# Altium PCB RockerBox_1_SiC780A_Rev01.PcbDoc (part 3 of 5)
Units mil, origin at the board's own origin, x right, y up, seen from the top; angles counter-clockwise.
Board outline 3937.01 x 3937.01 mil, 4 copper layers (L1, L2, L3, L4), stack 62.087 mil thick; 390 components, 96 nets, 1487 pads, 1631 vias.
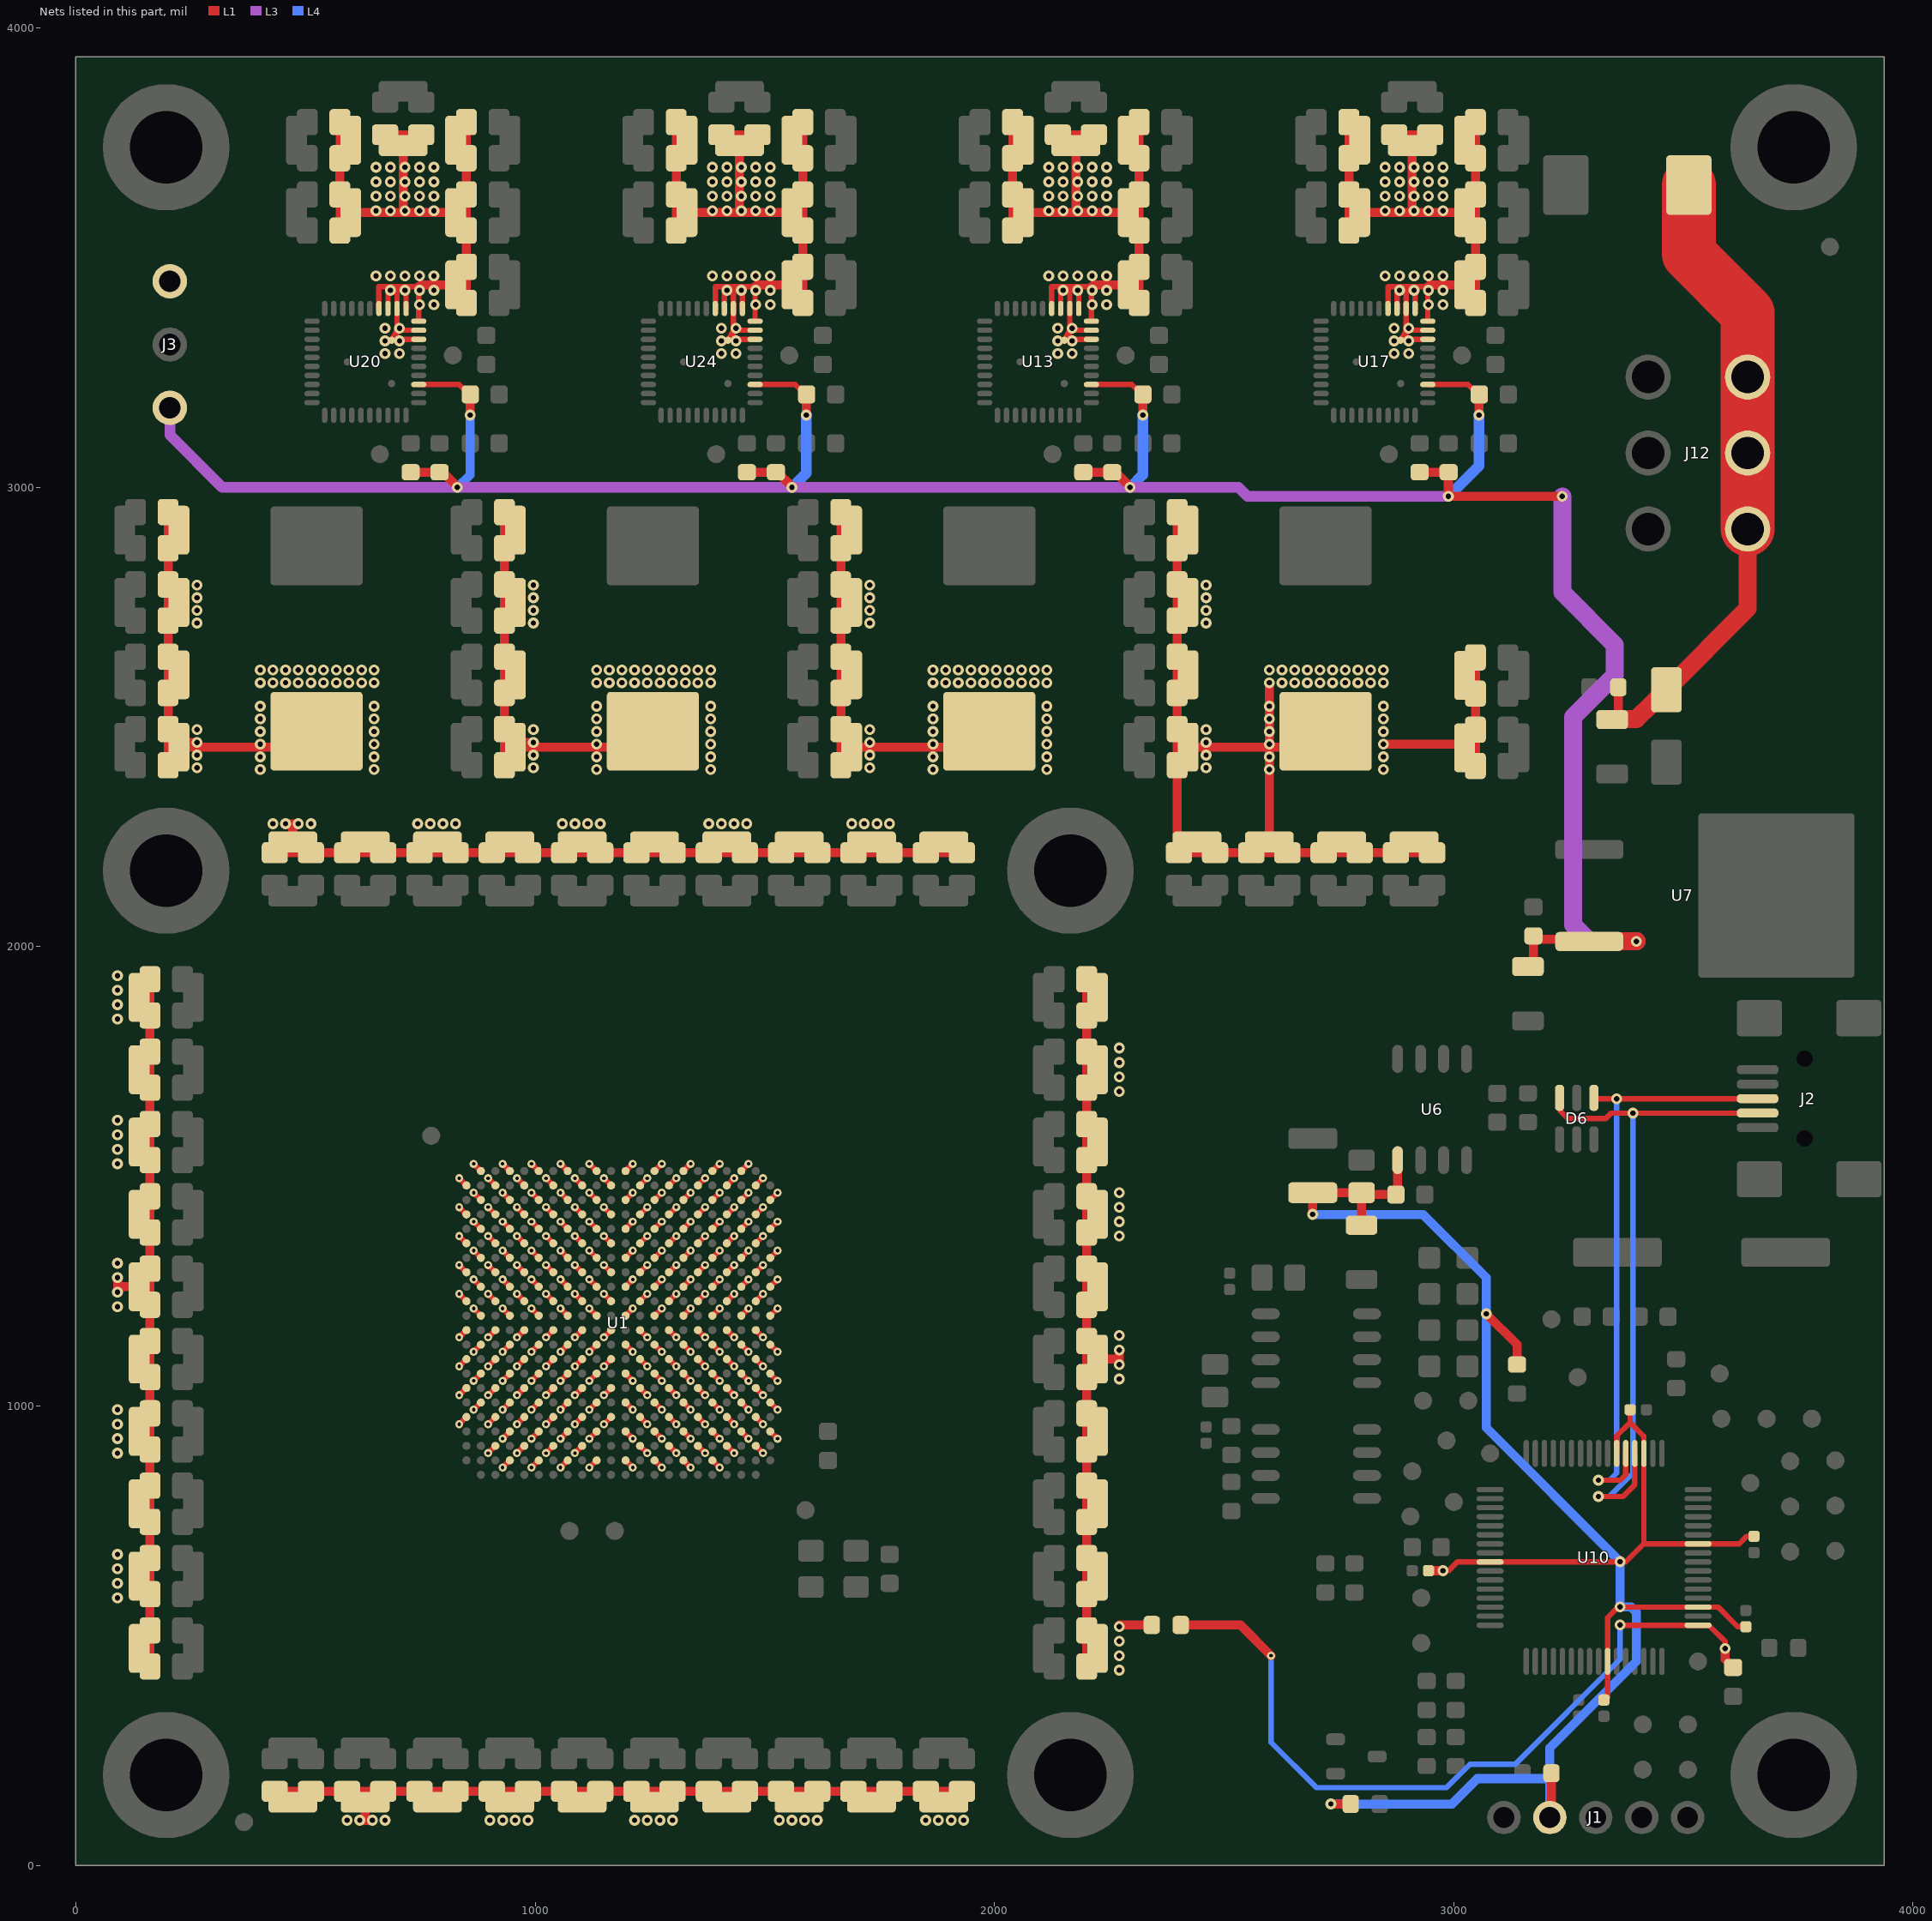
[diagram p5: the nets of this part, all layers, seen from the top]

## Via types
v1: diameter 23.62/23.62/23.62 (per signal layer), hole 11.81, L1 to L4, 1168 vias
v2: diameter 17.72/17.72/17.72 (per signal layer), hole 7.87, L1 to L4, 463 vias

## Nets (pads, with @x,y where several pads share a name; then routed paths per layer and width w, separated by ;. In a path a pad name is that pad's centre, name@x,y a point inside that pad or via, vN(x,y) a via of type N, cw(c..) or ccw(c..) an arc to the next point about the centre after c; other vN are vias at no path point) (continued)
1V: C1.2 C18.2 C19.2 C36.2 C37.1 C38.1 C39.1 C40.1 C62.2 C63.2 C65.1 C66.1 C67.1 C74.2 C75.2 C76.2 C77.2 C78.2 C79.2 C80.2 C81.2 C90.1 C128.1 C130.1 C131.1 C132.2 C138.1 C139.1 C140.2 C141.1 C142.1 C143.2 C144.1 C145.1 C146.2 C147.1 C148.2 C149.2 C150.2 C151.2 C152.2 C153.2 C154.2 C155.2 C156.2 C157.2 C158.2 C159.2 C160.2 C161.2 C162.2 C163.2 C164.2 C165.2 C166.1 C167.2 C168.2 C169.1 C170.1 C172.1 C173.1 C174.2 C175.1 C176.1 C177.2 C178.2 C179.2 C180.2 C181.2 C182.2 C183.2 C184.2 C185.2 C186.2 C187.1 C188.1 C189.2 C190.1 C191.1 C192.2 C193.1 C194.1 C195.2 C196.1 C197.1 C199.1 C200.1 C202.1 C203.1 C205.1 C206.2 C207.2 C208.2 C209.2 C210.2 C211.2 C212.2 C213.2 C214.2 C215.2 C216.2 C217.2 C218.2 C219.2 C220.2 C221.2 C222.2 C223.2 C224.2 C225.2 C226.2 C228.2 C229.2 C230.2 C234.2 C235.2 C236.2 C237.2 C238.2 C239.2 C240.2 C241.2 C242.2 C243.2 C244.2 C245.2 C246.2 C247.2 C248.2 C249.2 C250.2 C251.2 C252.2 C253.2 C254.2 C255.2 C256.2 C260.2 C261.2 C262.2 C263.1 C264.1 C265.1 C266.1 C267.2 C268.1 C269.1 C270.2 C271.1 C272.1 C273.2 C274.1 C275.1 C276.2 C331.1 C332.1 C333.1 C334.1 C375.2 C376.2 C377.2 C381.2 C382.2 C397.2 C398.2 C399.2 C400.2 C401.2 C652.1 C653.2 C654.1 C655.1 C656.2 C657.1 C658.1 C659.2 C660.1 C661.1 C662.2 C663.1 C664.1 C665.2 C666.1 C667.1 C668.2 C669.1 L3.2 L7.2 L10.2 L14.2 R6.2 U1.A3 U1.A5 U1.A7 U1.A9 U1.A11 U1.A13 U1.A15 U1.A17 U1.A19 U1.AA1 U1.AA3 U1.AA5 U1.AA7 U1.AA9 U1.AA11 U1.AA13 U1.AA15 U1.AA17 U1.AB2 U1.AB4 U1.AB6 U1.AB8 U1.AB10 U1.AB12 U1.AB14 U1.AB16 U1.AB18 U1.B2 U1.B4 U1.B6 U1.B8 U1.B10 U1.B12 U1.B14 U1.B16 U1.B18 U1.B20 U1.C1 U1.C3 U1.C5 U1.C7 U1.C9 U1.C11 U1.C13 U1.C15 U1.C17 U1.C19 U1.D2 U1.D4 U1.D6 U1.D8 U1.D10 U1.D12 U1.D14 U1.D16 U1.D18 U1.D20 U1.E1 U1.E3 U1.E5 U1.E7 U1.E9 U1.E11 U1.E13 U1.E15 U1.E17 U1.E19 U1.E21 U1.F2 U1.F4 U1.F6 U1.F8 U1.F10 U1.F12 U1.F14 U1.F16 U1.F18 U1.F20 U1.G1 U1.G3 U1.G5 U1.G7 U1.G9 U1.G11 U1.G13 U1.G15 U1.G17 U1.G19 U1.G21 U1.H2 U1.H4 U1.H6 U1.H8 U1.H10 U1.H12 U1.H14 U1.H16 U1.H18 U1.H20 U1.J1 U1.J3 U1.J5 U1.J7 U1.J9 U1.J11 U1.J13 U1.J15 U1.J17 U1.J19 U1.J21 U1.K2 U1.K4 U1.K6 U1.K8 U1.K10 U1.K12 U1.K14 U1.K16 U1.K18 U1.K20 U1.L1 U1.L3 U1.L5 U1.L7 U1.L9 U1.L11 U1.L13 U1.L15 U1.L17 U1.L19 U1.L21 U1.M2 U1.M4 U1.M6 U1.M8 U1.M10 U1.M12 U1.M14 U1.M16 U1.M18 U1.N1 U1.N3 U1.N5 U1.N7 U1.N9 U1.N11 U1.N13 U1.N15 U1.N17 U1.N19 U1.N21 U1.P2 U1.P4 U1.P6 U1.P8 U1.P10 U1.P12 U1.P14 U1.P16 U1.P18 U1.P20 U1.R1 U1.R3 U1.R5 U1.R7 U1.R9 U1.R11 U1.R13 U1.R15 U1.R17 U1.R19 U1.R21 U1.T2 U1.T4 U1.T6 U1.T8 U1.T10 U1.T12 U1.T14 U1.T16 U1.T18 U1.T20 U1.U1 U1.U3 U1.U5 U1.U7 U1.U9 U1.U11 U1.U13 U1.U15 U1.U17 U1.U19 U1.U21 U1.V2 U1.V4 U1.V6 U1.V8 U1.V10 U1.V12 U1.V14 U1.V16 U1.V18 U1.V20 U1.W1 U1.W3 U1.W5 U1.W7 U1.W9 U1.W11 U1.W13 U1.W15 U1.W17 U1.W19 U1.W21 U1.Y2 U1.Y4 U1.Y6 U1.Y8 U1.Y10 U1.Y12 U1.Y14 U1.Y16 U1.Y18 U1.Y20 | length 17953
  L1 w11.81: v2(834.65,960.63) U1.AB18@850.39,976.38 ; v2(834.65,1023.62) U1.AB16@850.39,1039.37 ; v2(834.65,1086.61) U1.AB14@850.39,1102.36 ; v2(834.65,1149.61) U1.AB12@850.39,1165.35 ; v2(834.65,1244.09) U1.AB10@850.39,1228.35 ; v2(834.65,1307.09) U1.AB8@850.39,1291.34 ; v2(834.65,1370.08) U1.AB6@850.39,1354.33 ; v2(834.65,1433.07) U1.AB4@850.39,1417.32 ; v2(834.65,1496.06) U1.AB2@850.39,1480.31 ; v2(866.14,992.13) U1.AA17@881.89,1007.87 ; v2(866.14,1055.12) U1.AA15@881.89,1070.87 ; v2(866.14,1118.11) U1.AA13@881.89,1133.86 ; v2(866.14,1212.6) U1.AA11@881.89,1196.85 ; v2(866.14,1275.59) U1.AA9@881.89,1259.84 ; v2(866.14,1338.58) U1.AA7@881.89,1322.83 ; v2(866.14,1401.57) U1.AA5@881.89,1385.83 ; v2(866.14,1464.57) U1.AA3@881.89,1448.82 ; v2(866.14,1527.56) U1.AA1@881.89,1511.81 ; v2(897.64,897.64) U1.Y20@913.39,913.39 ; v2(897.64,960.63) U1.Y18@913.39,976.38 ; v2(897.64,1023.62) U1.Y16@913.39,1039.37 ; v2(897.64,1086.61) U1.Y14@913.39,1102.36 ; v2(897.64,1149.61) U1.Y12@913.39,1165.35 ; v2(897.64,1244.09) U1.Y10@913.39,1228.35 ; v2(897.64,1307.09) U1.Y8@913.39,1291.34 ; v2(897.64,1370.08) U1.Y6@913.39,1354.33 ; v2(897.64,1433.07) U1.Y4@913.39,1417.32 ; v2(897.64,1496.06) U1.Y2@913.39,1480.31 ; v2(929.13,866.14) U1.W21@944.88,881.89 ; v2(929.13,929.13) U1.W19@944.88,944.88 ; v2(929.13,992.13) U1.W17@944.88,1007.87 ; v2(929.13,1055.12) U1.W15@944.88,1070.87 ; v2(929.13,1118.11) U1.W13@944.88,1133.86 ; v2(929.13,1212.6) U1.W11@944.88,1196.85 ; v2(929.13,1275.59) U1.W9@944.88,1259.84 ; v2(929.13,1338.58) U1.W7@944.88,1322.83 ; v2(929.13,1401.57) U1.W5@944.88,1385.83 ; v2(929.13,1464.57) U1.W3@944.88,1448.82 ; v2(929.13,1527.56) U1.W1@944.88,1511.81 ; v2(960.63,897.64) U1.V20@976.38,913.39 ; v2(960.63,960.63) U1.V18@976.38,976.38 ; v2(960.63,1023.62) U1.V16@976.38,1039.37 ; v2(960.63,1086.61) U1.V14@976.38,1102.36 ; v2(960.63,1149.61) U1.V12@976.38,1165.35 ; v2(960.63,1244.09) U1.V10@976.38,1228.35 ; v2(960.63,1307.09) U1.V8@976.38,1291.34 ; v2(960.63,1370.08) U1.V6@976.38,1354.33 ; v2(960.63,1433.07) U1.V4@976.38,1417.32 ; v2(960.63,1496.06) U1.V2@976.38,1480.31 ; v2(992.13,866.14) U1.U21@1007.87,881.89 ; v2(992.13,929.13) U1.U19@1007.87,944.88 ; v2(992.13,992.13) U1.U17@1007.87,1007.87 ; v2(992.13,1055.12) U1.U15@1007.87,1070.87 ; v2(992.13,1118.11) U1.U13@1007.87,1133.86 ; v2(992.13,1212.6) U1.U11@1007.87,1196.85 ; v2(992.13,1275.59) U1.U9@1007.87,1259.84 ; v2(992.13,1338.58) U1.U7@1007.87,1322.83 ; v2(992.13,1401.57) U1.U5@1007.87,1385.83 ; v2(992.13,1464.57) U1.U3@1007.87,1448.82 ; v2(992.13,1527.56) U1.U1@1007.87,1511.81 ; v2(1023.62,897.64) U1.T20@1039.37,913.39 ; v2(1023.62,960.63) U1.T18@1039.37,976.38 ; v2(1023.62,1023.62) U1.T16@1039.37,1039.37 ; v2(1023.62,1086.61) U1.T14@1039.37,1102.36 ; v2(1023.62,1149.61) U1.T12@1039.37,1165.35 ; v2(1023.62,1244.09) U1.T10@1039.37,1228.35 ; v2(1023.62,1307.09) U1.T8@1039.37,1291.34 ; v2(1023.62,1370.08) U1.T6@1039.37,1354.33 ; v2(1023.62,1433.07) U1.T4@1039.37,1417.32 ; v2(1023.62,1496.06) U1.T2@1039.37,1480.31 ; v2(1055.12,866.14) U1.R21@1070.87,881.89 ; v2(1055.12,929.13) U1.R19@1070.87,944.88 ; v2(1055.12,992.13) U1.R17@1070.87,1007.87 ; v2(1055.12,1055.12) U1.R15@1070.87,1070.87 ; v2(1055.12,1118.11) U1.R13@1070.87,1133.86 ; v2(1055.12,1212.6) U1.R11@1070.87,1196.85 ; v2(1055.12,1275.59) U1.R9@1070.87,1259.84 ; v2(1055.12,1338.58) U1.R7@1070.87,1322.83 ; v2(1055.12,1401.57) U1.R5@1070.87,1385.83 ; v2(1055.12,1464.57) U1.R3@1070.87,1448.82 ; v2(1055.12,1527.56) U1.R1@1070.87,1511.81 ; v2(1086.61,897.64) U1.P20@1102.36,913.39 ; v2(1086.61,960.63) U1.P18@1102.36,976.38 ; v2(1086.61,1023.62) U1.P16@1102.36,1039.37 ; v2(1086.61,1086.61) U1.P14@1102.36,1102.36 ; v2(1086.61,1149.61) U1.P12@1102.36,1165.35 ; v2(1086.61,1244.09) U1.P10@1102.36,1228.35 ; v2(1086.61,1307.09) U1.P8@1102.36,1291.34 ; v2(1086.61,1370.08) U1.P6@1102.36,1354.33 ; v2(1086.61,1433.07) U1.P4@1102.36,1417.32 ; v2(1086.61,1496.06) U1.P2@1102.36,1480.31 ; v2(1118.11,866.14) U1.N21@1133.86,881.89 ; v2(1118.11,929.13) U1.N19@1133.86,944.88 ; v2(1118.11,992.13) U1.N17@1133.86,1007.87 ; v2(1118.11,1055.12) U1.N15@1133.86,1070.87 ; v2(1118.11,1118.11) U1.N13@1133.86,1133.86 ; v2(1118.11,1212.6) U1.N11@1133.86,1196.85 ; v2(1118.11,1275.59) U1.N9@1133.86,1259.84 ; v2(1118.11,1338.58) U1.N7@1133.86,1322.83 ; v2(1118.11,1401.57) U1.N5@1133.86,1385.83 ; v2(1118.11,1464.57) U1.N3@1133.86,1448.82 ; v2(1118.11,1527.56) U1.N1@1133.86,1511.81 ; v2(1149.61,960.63) U1.M18@1165.35,976.38 ; v2(1149.61,1023.62) U1.M16@1165.35,1039.37 ; v2(1149.61,1086.61) U1.M14@1165.35,1102.36 ; v2(1149.61,1149.61) U1.M12@1165.35,1165.35 ; v2(1149.61,1244.09) U1.M10@1165.35,1228.35 ; v2(1149.61,1307.09) U1.M8@1165.35,1291.34 ; v2(1149.61,1370.08) U1.M6@1165.35,1354.33 ; v2(1149.61,1433.07) U1.M4@1165.35,1417.32 ; v2(1149.61,1496.06) U1.M2@1165.35,1480.31 ; U1.L21@1196.85,881.89 v2(1212.6,866.14) ; U1.L19@1196.85,944.88 v2(1212.6,929.13) ; U1.L17@1196.85,1007.87 v2(1212.6,992.13) ; U1.L15@1196.85,1070.87 v2(1212.6,1055.12) ; U1.L13@1196.85,1133.86 v2(1212.6,1118.11) ; U1.L11@1196.85,1196.85 v2(1212.6,1212.6) ; U1.L9@1196.85,1259.84 v2(1212.6,1275.59) ; U1.L7@1196.85,1322.83 v2(1212.6,1338.58) ; U1.L5@1196.85,1385.83 v2(1212.6,1401.57) ; U1.L3@1196.85,1448.82 v2(1212.6,1464.57) ; U1.L1@1196.85,1511.81 v2(1212.6,1527.56) ; U1.K20@1228.35,913.39 v2(1244.09,897.64) ; U1.K18@1228.35,976.38 v2(1244.09,960.63) ; U1.K16@1228.35,1039.37 v2(1244.09,1023.62) ; U1.K14@1228.35,1102.36 v2(1244.09,1086.61) ; U1.K12@1228.35,1165.35 v2(1244.09,1149.61) ; U1.K10@1228.35,1228.35 v2(1244.09,1244.09) ; U1.K8@1228.35,1291.34 v2(1244.09,1307.09) ; U1.K6@1228.35,1354.33 v2(1244.09,1370.08) ; U1.K4@1228.35,1417.32 v2(1244.09,1433.07) ; U1.K2@1228.35,1480.31 v2(1244.09,1496.06) ; U1.J21@1259.84,881.89 v2(1275.59,866.14) ; U1.J19@1259.84,944.88 v2(1275.59,929.13) ; U1.J17@1259.84,1007.87 v2(1275.59,992.13) ; U1.J15@1259.84,1070.87 v2(1275.59,1055.12) ; U1.J13@1259.84,1133.86 v2(1275.59,1118.11) ; U1.J11@1259.84,1196.85 v2(1275.59,1212.6) ; U1.J9@1259.84,1259.84 v2(1275.59,1275.59) ; U1.J7@1259.84,1322.83 v2(1275.59,1338.58) ; U1.J5@1259.84,1385.83 v2(1275.59,1401.57) ; U1.J3@1259.84,1448.82 v2(1275.59,1464.57) ; U1.J1@1259.84,1511.81 v2(1275.59,1527.56) ; U1.H20@1291.34,913.39 v2(1307.09,897.64) ; U1.H18@1291.34,976.38 v2(1307.09,960.63) ; U1.H16@1291.34,1039.37 v2(1307.09,1023.62) ; U1.H14@1291.34,1102.36 v2(1307.09,1086.61) ; U1.H12@1291.34,1165.35 v2(1307.09,1149.61) ; U1.H10@1291.34,1228.35 v2(1307.09,1244.09) ; U1.H8@1291.34,1291.34 v2(1307.09,1307.09) ; U1.H6@1291.34,1354.33 v2(1307.09,1370.08) ; U1.H4@1291.34,1417.32 v2(1307.09,1433.07) ; U1.H2@1291.34,1480.31 v2(1307.09,1496.06) ; U1.G21@1322.83,881.89 v2(1338.58,866.14) ; U1.G19@1322.83,944.88 v2(1338.58,929.13) ; U1.G17@1322.83,1007.87 v2(1338.58,992.13) ; U1.G15@1322.83,1070.87 v2(1338.58,1055.12) ; U1.G13@1322.83,1133.86 v2(1338.58,1118.11) ; U1.G11@1322.83,1196.85 v2(1338.58,1212.6) ; U1.G9@1322.83,1259.84 v2(1338.58,1275.59) ; U1.G7@1322.83,1322.83 v2(1338.58,1338.58) ; U1.G5@1322.83,1385.83 v2(1338.58,1401.57) ; U1.G3@1322.83,1448.82 v2(1338.58,1464.57) ; U1.G1@1322.83,1511.81 v2(1338.58,1527.56) ; U1.F20@1354.33,913.39 v2(1370.08,897.64) ; U1.F18@1354.33,976.38 v2(1370.08,960.63) ; U1.F16@1354.33,1039.37 v2(1370.08,1023.62) ; U1.F14@1354.33,1102.36 v2(1370.08,1086.61) ; U1.F12@1354.33,1165.35 v2(1370.08,1149.61) ; U1.F10@1354.33,1228.35 v2(1370.08,1244.09) ; U1.F8@1354.33,1291.34 v2(1370.08,1307.09) ; U1.F6@1354.33,1354.33 v2(1370.08,1370.08) ; U1.F4@1354.33,1417.32 v2(1370.08,1433.07) ; U1.F2@1354.33,1480.31 v2(1370.08,1496.06) ; U1.E21@1385.83,881.89 v2(1401.57,866.14) ; U1.E19@1385.83,944.88 v2(1401.57,929.13) ; U1.E17@1385.83,1007.87 v2(1401.57,992.13) ; U1.E15@1385.83,1070.87 v2(1401.57,1055.12) ; U1.E13@1385.83,1133.86 v2(1401.57,1118.11) ; U1.E11@1385.83,1196.85 v2(1401.57,1212.6) ; U1.E9@1385.83,1259.84 v2(1401.57,1275.59) ; U1.E7@1385.83,1322.83 v2(1401.57,1338.58) ; U1.E5@1385.83,1385.83 v2(1401.57,1401.57) ; U1.E3@1385.83,1448.82 v2(1401.57,1464.57) ; U1.E1@1385.83,1511.81 v2(1401.57,1527.56) ; U1.D20@1417.32,913.39 v2(1433.07,897.64) ; U1.D18@1417.32,976.38 v2(1433.07,960.63) ; U1.D16@1417.32,1039.37 v2(1433.07,1023.62) ; U1.D14@1417.32,1102.36 v2(1433.07,1086.61) ; U1.D12@1417.32,1165.35 v2(1433.07,1149.61) ; U1.D10@1417.32,1228.35 v2(1433.07,1244.09) ; U1.D8@1417.32,1291.34 v2(1433.07,1307.09) ; U1.D6@1417.32,1354.33 v2(1433.07,1370.08) ; U1.D4@1417.32,1417.32 v2(1433.07,1433.07) ; U1.D2@1417.32,1480.31 v2(1433.07,1496.06) ; U1.C19@1448.82,944.88 v2(1464.57,929.13) ; U1.C17@1448.82,1007.87 v2(1464.57,992.13) ; U1.C15@1448.82,1070.87 v2(1464.57,1055.12) ; U1.C13@1448.82,1133.86 v2(1464.57,1118.11) ; U1.C11@1448.82,1196.85 v2(1464.57,1212.6) ; U1.C9@1448.82,1259.84 v2(1464.57,1275.59) ; U1.C7@1448.82,1322.83 v2(1464.57,1338.58) ; U1.C5@1448.82,1385.83 v2(1464.57,1401.57) ; U1.C3@1448.82,1448.82 v2(1464.57,1464.57) ; U1.C1@1448.82,1511.81 v2(1464.57,1527.56) ; U1.B20@1480.31,913.39 v2(1496.06,897.64) ; U1.B18@1480.31,976.38 v2(1496.06,960.63) ; U1.B16@1480.31,1039.37 v2(1496.06,1023.62) ; U1.B14@1480.31,1102.36 v2(1496.06,1086.61) ; U1.B12@1480.31,1165.35 v2(1496.06,1149.61) ; U1.B10@1480.31,1228.35 v2(1496.06,1244.09) ; U1.B8@1480.31,1291.34 v2(1496.06,1307.09) ; U1.B6@1480.31,1354.33 v2(1496.06,1370.08) ; U1.B4@1480.31,1417.32 v2(1496.06,1433.07) ; U1.B2@1480.31,1480.31 v2(1496.06,1496.06) ; U1.A19@1511.81,944.88 v2(1527.56,929.13) ; U1.A17@1511.81,1007.87 v2(1527.56,992.13) ; U1.A15@1511.81,1070.87 v2(1527.56,1055.12) ; U1.A13@1511.81,1133.86 v2(1527.56,1118.11) ; U1.A11@1511.81,1196.85 v2(1527.56,1212.6) ; U1.A9@1511.81,1259.84 v2(1527.56,1275.59) ; U1.A7@1511.81,1322.83 v2(1527.56,1338.58) ; U1.A5@1511.81,1385.83 v2(1527.56,1401.57) ; U1.A3@1511.81,1448.82 v2(1527.56,1464.57)
  L1 w19.68: v1(90.75,1248.03) v1@90.75,1259.84 ; v1(90.75,1279.53) v1@90.75,1259.84 ; C254.2@137.8,472.44 161.42,472.44 ; C213.2@137.8,629.92 161.42,629.92 ; C214.2@137.8,787.4 161.42,787.4 ; C215.2@137.8,944.88 161.42,944.88 ; C210.2@137.8,1102.36 161.42,1102.36 ; C212.2@137.8,1417.32 161.42,1417.32 ; C207.2@137.8,1574.8 161.42,1574.8 ; C208.2@137.8,1732.28 161.42,1732.28 ; C209.2@137.8,1889.76 161.42,1889.76 ; C229.2@161.42,433.07 161.42,472.44 ; C63.2@161.42,1929.13 161.42,1889.76 ; C657.1@200.91,2395.07 200.91,2434.44 ; C669.1@200.91,2946.25 200.91,2906.88 ; C662.2@224.54,2591.92 200.91,2591.92 ; C665.2@224.54,2749.4 200.91,2749.4 ; C668.2@224.54,2906.88 200.91,2906.88 ; v1(263.78,2444.88) 234.98,2444.88 C656.2@224.54,2434.44 ; C157.2@433.07,161.42 472.44,161.42 ; C654.1@433.07,2204.72 472.44,2204.72 ; v1(456.69,2267.72) v1@472.44,2267.72 ; C238.2@472.44,137.8 472.44,161.42 ; v1(484.25,2267.72) v1@472.44,2267.72 ; L10.2@524.07,2469.08 524.07,2434.44 C656.2@224.54,2434.44 ; v1(618.11,98.43) v1@629.92,98.43 ; C398.2@629.92,2228.35 629.92,2204.72 ; v1(645.67,98.43) v1@629.92,98.43 ; C216.2@787.4,137.8 787.4,161.42 ; C659.2@787.4,2228.35 787.4,2204.72 ; C176.1@933.2,2395.07 933.2,2434.44 ; C268.1@933.2,2946.25 933.2,2906.88 ; C241.2@944.88,137.8 944.88,161.42 ; C397.2@944.88,2228.35 944.88,2204.72 ; C399.2@956.82,2591.92 933.2,2591.92 ; C400.2@956.82,2749.4 933.2,2749.4 ; C401.2@956.82,2906.88 933.2,2906.88 ; v1(996.06,2444.88) 967.26,2444.88 C195.2@956.82,2434.44 ; C240.2@1102.36,137.8 1102.36,161.42 ; C192.2@1102.36,2228.35 1102.36,2204.72 ; L14.2@1256.36,2469.08 1256.36,2434.44 C195.2@956.82,2434.44 ; C239.2@1259.84,137.8 1259.84,161.42 ; C189.2@1259.84,2228.35 1259.84,2204.72 ; C244.2@1417.32,137.8 1417.32,161.42 ; C267.2@1417.32,2228.35 1417.32,2204.72 ; C243.2@1574.8,137.8 1574.8,161.42 ; C174.2@1574.8,2228.35 1574.8,2204.72 ; C138.1@1665.48,2395.07 1665.48,2434.44 ; C169.1@1665.48,2946.25 1665.48,2906.88 ; C375.2@1689.1,2591.92 1665.48,2591.92 ; C376.2@1689.1,2749.4 1665.48,2749.4 ; C377.2@1689.1,2906.88 1665.48,2906.88 ; v1(1728.35,2444.88) v1@1728.35,2434.44 ; C242.2@1732.28,137.8 1732.28,161.42 ; C143.2@1732.28,2228.35 1732.28,2204.72 ; C255.2@1889.76,137.8 1889.76,161.42 ; C140.2@1889.76,2228.35 1889.76,2204.72 ; C230.2@1929.13,161.42 1889.76,161.42 ; C39.1@1929.13,2204.72 1889.76,2204.72 ; L3.2@1988.64,2469.08 1988.64,2434.44 v1@1728.35,2434.44 ; C235.2@2200.79,433.07 2200.79,472.44 ; C221.2@2200.79,1929.13 2200.79,1889.76 ; C256.2@2224.41,472.44 2200.79,472.44 ; C247.2@2224.41,629.92 2200.79,629.92 ; C246.2@2224.41,787.4 2200.79,787.4 ; C245.2@2224.41,944.88 2200.79,944.88 ; C249.2@2224.41,1259.84 2200.79,1259.84 ; C248.2@2224.41,1417.32 2200.79,1417.32 ; C253.2@2224.41,1574.8 2200.79,1574.8 ; C252.2@2224.41,1732.28 2200.79,1732.28 ; C251.2@2224.41,1889.76 2200.79,1889.76 ; v1(2271.65,519.69) 2271.65,523.62 R6.2@2342.52,523.62 ; v1(2271.85,1090.55) v1@2271.85,1102.36 ; v1(2271.85,1122.05) v1@2271.85,1102.36 ; C275.1@2397.76,2946.25 2397.76,2906.88 ; C276.2@2421.39,2591.92 2397.76,2591.92 ; C381.2@2421.39,2749.4 2397.76,2749.4 ; C382.2@2421.39,2906.88 2397.76,2906.88 ; C167.2@2440.94,2228.26 2440.94,2204.64 ; C132.2@2598.42,2228.26 2598.42,2224.41 2598.42,2204.64 ; C132.2@2598.43,2224.42 v1(2598.43,2385.83) v1(2598.43,2413.39) v1@2598.43,2434.44 ; v1(2598.43,2574.8) v1(2598.43,2523.62) v1(2598.43,2496.06) v1(2598.43,2468.5) v1(2598.43,2440.94) v1@2598.43,2434.44 ; L7.2@2720.92,2469.08 2720.92,2434.44 v1@2598.43,2434.44 ; C262.2@2755.91,2228.35 2755.91,2204.72 ; v1(2846.46,2440.94) 3015.75,2440.94 C273.2@3023.62,2433.07 3047.24,2433.07 ; C261.2@2913.39,2228.35 2913.39,2204.72 ; C197.1@2952.76,2204.72 2913.39,2204.72 ; C260.2@3023.62,2590.55 3047.24,2590.55 ; C265.1@3047.24,2393.7 3047.24,2433.07 ; C90.1@3047.24,2629.92 3047.24,2590.55 ; v1@90.75,1259.84 C211.2@137.8,1259.84 161.42,1259.84 ; 161.42,472.44 C228.2@161.42,511.81 C80.2@161.42,590.55 161.42,629.92 ; 161.42,629.92 C81.2@161.42,669.29 C148.2@161.42,748.03 161.42,787.4 ; 161.42,787.4 C149.2@161.42,826.77 C150.2@161.42,905.51 161.42,944.88 ; 161.42,944.88 C151.2@161.42,984.25 C74.2@161.42,1062.99 161.42,1102.36 ; 161.42,1102.36 C75.2@161.42,1141.73 C76.2@161.42,1220.47 161.42,1259.84 ; 161.42,1259.84 C77.2@161.42,1299.21 C78.2@161.42,1377.95 161.42,1417.32 ; 161.42,1417.32 C79.2@161.42,1456.69 C1.2@161.42,1535.43 161.42,1574.8 ; 161.42,1574.8 C18.2@161.42,1614.17 C19.2@161.42,1692.91 161.42,1732.28 ; 161.42,1732.28 C36.2@161.42,1771.65 C62.2@161.42,1850.39 161.42,1889.76 ; 200.91,2434.44 C655.1@200.91,2473.81 C661.1@200.91,2552.55 200.91,2591.92 ; 200.91,2434.44 C656.2@224.54,2434.44 ; 200.91,2591.92 C663.1@200.91,2631.29 C664.1@200.91,2710.03 200.91,2749.4 ; 200.91,2749.4 C666.1@200.91,2788.77 C667.1@200.91,2867.51 200.91,2906.88 ; 472.44,161.42 C156.2@511.81,161.42 C155.2@590.55,161.42 629.92,161.42 ; 472.44,2204.72 C652.1@511.81,2204.72 C334.1@590.55,2204.72 629.92,2204.72 ; 472.44,2204.72 C653.2@472.44,2228.35 v1@472.44,2267.72 ; v1@629.92,98.43 C237.2@629.92,137.8 629.92,161.42 ; 629.92,161.42 C154.2@669.29,161.42 C153.2@748.03,161.42 787.4,161.42 ; 629.92,2204.72 C333.1@669.29,2204.72 C660.1@748.03,2204.72 787.4,2204.72 ; 787.4,161.42 C152.2@826.77,161.42 C163.2@905.51,161.42 944.88,161.42 ; 787.4,2204.72 C658.1@826.77,2204.72 C332.1@905.51,2204.72 944.88,2204.72 ; 933.2,2434.44 C191.1@933.2,2552.55 933.2,2591.92 ; 933.2,2434.44 C195.2@956.82,2434.44 ; 933.2,2591.92 C194.1@933.2,2710.03 933.2,2749.4 ; 933.2,2749.4 933.2,2906.88 ; 944.88,161.42 C162.2@984.25,161.42 C161.2@1062.99,161.42 1102.36,161.42 ; 944.88,2204.72 C331.1@984.25,2204.72 C173.1@1062.99,2204.72 1102.36,2204.72 ; 1102.36,161.42 C160.2@1141.73,161.42 C159.2@1220.47,161.42 1259.84,161.42 ; 1102.36,2204.72 C172.1@1141.73,2204.72 C170.1@1220.47,2204.72 1259.84,2204.72 ; 1259.84,161.42 C158.2@1299.21,161.42 C179.2@1377.95,161.42 1417.32,161.42 ; 1259.84,2204.72 C67.1@1299.21,2204.72 C190.1@1377.95,2204.72 1417.32,2204.72 ; 1417.32,161.42 C178.2@1456.69,161.42 C177.2@1535.43,161.42 1574.8,161.42 ; 1417.32,2204.72 C188.1@1456.69,2204.72 C66.1@1535.43,2204.72 1574.8,2204.72 ; 1574.8,161.42 C168.2@1614.17,161.42 C165.2@1692.91,161.42 1732.28,161.42 ; 1574.8,2204.72 C65.1@1614.17,2204.72 C130.1@1692.91,2204.72 1732.28,2204.72 ; 1665.48,2434.44 C131.1@1665.48,2473.81 C142.1@1665.48,2552.55 1665.48,2591.92 ; 1665.48,2434.44 C146.2@1689.1,2434.44 v1@1728.35,2434.44 ; 1665.48,2591.92 C144.1@1665.48,2631.29 C145.1@1665.48,2710.03 1665.48,2749.4 ; 1665.48,2749.4 C147.1@1665.48,2788.77 C166.1@1665.48,2867.51 1665.48,2906.88 ; 1732.28,161.42 C164.2@1771.65,161.42 C234.2@1850.39,161.42 1889.76,161.42 ; 1732.28,2204.72 C128.1@1771.65,2204.72 C40.1@1850.39,2204.72 1889.76,2204.72 ; 2200.79,472.44 C236.2@2200.79,511.81 C185.2@2200.79,590.55 2200.79,629.92 ; 2200.79,629.92 C184.2@2200.79,669.29 C183.2@2200.79,748.03 2200.79,787.4 ; 2200.79,787.4 C182.2@2200.79,826.77 C181.2@2200.79,905.51 2200.79,944.88 ; 2200.79,944.88 C180.2@2200.79,984.25 C220.2@2200.79,1062.99 2200.79,1102.36 ; 2200.79,1102.36 C219.2@2200.79,1141.73 C218.2@2200.79,1220.47 2200.79,1259.84 ; 2200.79,1102.36 C250.2@2224.41,1102.36 v1@2271.85,1102.36 ; 2200.79,1259.84 C217.2@2200.79,1299.21 C206.2@2200.79,1377.95 2200.79,1417.32 ; 2200.79,1417.32 C186.2@2200.79,1456.69 C226.2@2200.79,1535.43 2200.79,1574.8 ; 2200.79,1574.8 C225.2@2200.79,1614.17 C224.2@2200.79,1692.91 2200.79,1732.28 ; 2200.79,1732.28 C223.2@2200.79,1771.65 C222.2@2200.79,1850.39 2200.79,1889.76 ; 2397.76,2434.44 C203.1@2397.76,2473.81 C266.1@2397.76,2552.55 2397.76,2591.92 ; 2397.76,2434.44 C205.1@2397.76,2395.07 2397.76,2208.44 C141.1@2401.57,2204.64 2440.94,2204.64 ; 2397.76,2434.44 C270.2@2421.39,2434.44 v1@2598.43,2434.44 ; 2397.76,2591.92 C269.1@2397.76,2631.29 C271.1@2397.76,2710.03 2397.76,2749.4 ; 2397.76,2749.4 C272.1@2397.76,2788.77 C274.1@2397.76,2867.51 2397.76,2906.88 ; 2440.94,2204.64 2598.42,2204.64 ; 2598.42,2204.64 2716.45,2204.64 C202.1@2716.54,2204.72 2755.91,2204.72 ; 2755.91,2204.72 C200.1@2795.28,2204.72 C199.1@2874.02,2204.72 2913.39,2204.72 ; 3047.24,2433.07 3047.24,2590.55
  other v1: 590.55,98.43 673.23,98.43 901.57,98.43 929.13,98.43 956.69,98.43 984.25,98.43 1216.54,98.43 1244.09,98.43 1271.65,98.43 1299.21,98.43 1531.5,98.43 1559.06,98.43 1586.61,98.43 1614.17,98.43 1850.39,98.43 1877.95,98.43 1905.51,98.43 1933.07,98.43 2271.65,425.2 2271.65,456.69 2271.65,488.19 90.55,582.68 90.55,614.17 90.55,645.67 90.55,677.17 90.75,897.64 90.75,929.13 90.75,960.63 90.75,992.13 2271.85,1059.06 2271.85,1153.54 90.75,1216.54 90.75,1311.02 2271.85,1370.08 2271.85,1401.57 2271.85,1433.07 2271.85,1464.57 90.75,1527.56 90.75,1559.06 90.75,1590.55 90.75,1622.05 2271.85,1685.04 2271.85,1716.54 2271.85,1748.03 2271.85,1779.53 90.75,1842.52 90.75,1874.02 90.75,1905.51 90.75,1937.01 429.13,2267.72 511.81,2267.72 744.09,2267.72 771.65,2267.72 799.21,2267.72 826.77,2267.72 1059.06,2267.72 1086.61,2267.72 1114.17,2267.72 1141.73,2267.72 1377.95,2267.72 1405.51,2267.72 1433.07,2267.72 1460.63,2267.72 1688.98,2267.72 1716.54,2267.72 1744.09,2267.72 1771.65,2267.72 401.57,2385.83 649.61,2385.83 1133.86,2385.83 1381.89,2385.83 1866.14,2385.83 2114.17,2385.83 2846.46,2385.83 263.78,2389.76 996.06,2389.76 1728.35,2389.76 2460.63,2389.76 401.57,2413.39 649.61,2413.39 1133.86,2413.39 1381.89,2413.39 1866.14,2413.39 2114.17,2413.39 2846.46,2413.39 263.78,2417.32 996.06,2417.32 1728.35,2417.32 2460.63,2417.32 401.57,2440.94 649.61,2440.94 1133.86,2440.94 1381.89,2440.94 1866.14,2440.94 2114.17,2440.94 2460.63,2444.88 401.57,2468.5 649.61,2468.5 1133.86,2468.5 1381.89,2468.5 1866.14,2468.5 2114.17,2468.5 2846.46,2468.5 263.78,2472.44 996.06,2472.44 1728.35,2472.44 2460.63,2472.44 401.57,2496.06 649.61,2496.06 1133.86,2496.06 1381.89,2496.06 1866.14,2496.06 2114.17,2496.06 2846.46,2496.06 401.57,2523.62 649.61,2523.62 1133.86,2523.62 1381.89,2523.62 1866.14,2523.62 2114.17,2523.62 2846.46,2523.62 401.57,2574.8 429.13,2574.8 456.69,2574.8 484.25,2574.8 511.81,2574.8 539.37,2574.8 566.93,2574.8 594.49,2574.8 622.05,2574.8 649.61,2574.8 1133.86,2574.8 1161.42,2574.8 1188.98,2574.8 1216.54,2574.8 1244.09,2574.8 1271.65,2574.8 1299.21,2574.8 1326.77,2574.8 1354.33,2574.8 1381.89,2574.8 1866.14,2574.8 1893.7,2574.8 1921.26,2574.8 1948.82,2574.8 1976.38,2574.8 2003.94,2574.8 2031.5,2574.8 2059.06,2574.8 2086.61,2574.8 2114.17,2574.8 2625.98,2574.8 2653.54,2574.8 2681.1,2574.8 2708.66,2574.8 2736.22,2574.8 2763.78,2574.8 2791.34,2574.8 2818.9,2574.8 2846.46,2574.8 401.57,2602.36 429.13,2602.36 456.69,2602.36 484.25,2602.36 511.81,2602.36 539.37,2602.36 566.93,2602.36 594.49,2602.36 622.05,2602.36 649.61,2602.36 1133.86,2602.36 1161.42,2602.36 1188.98,2602.36 1216.54,2602.36 1244.09,2602.36 1271.65,2602.36 1299.21,2602.36 1326.77,2602.36 1354.33,2602.36 1381.89,2602.36 1866.14,2602.36 1893.7,2602.36 1921.26,2602.36 1948.82,2602.36 1976.38,2602.36 2003.94,2602.36 2031.5,2602.36 2059.06,2602.36 2086.61,2602.36 2114.17,2602.36 2598.43,2602.36 2625.98,2602.36 2653.54,2602.36 2681.1,2602.36 2708.66,2602.36 2736.22,2602.36 2763.78,2602.36 2791.34,2602.36 2818.9,2602.36 2846.46,2602.36 263.78,2704.72 996.06,2704.72 1728.35,2704.72 2460.63,2704.72 263.78,2732.28 996.06,2732.28 1728.35,2732.28 2460.63,2732.28 263.78,2759.84 996.06,2759.84 1728.35,2759.84 2460.63,2759.84 263.78,2787.4 996.06,2787.4 1728.35,2787.4 2460.63,2787.4
3.3V: C4.1 C6.1 C7.1 C8.1 C9.1 C13.2 C14.1 C347.1 J1.2 R1.2 R9.2 R14.2 R18.1 U6.1 U10.10 U10.19 U10.26 U10.35 U10.38 U10.57 | length 4629.3
  L1 w11.81: v1(2976.38,641.73) 2988.86,641.73 3007.87,660.75 U10.57@3079.04,660.75 v1@3361.54,660.75 ; C9.1@3326.77,360.24 3332.68,366.14 3334.94,366.14 3334.94,539.67 3357.6,562.32 3361.54,562.32 v1(3362.2,562.99) 3362.2,562.32 U10.19@3531.79,562.32 3575.47,562.32 3618.11,519.69 C6.1@3635.83,519.69 ; U10.38@3354.63,896.97 3354.63,935.09 3383.86,964.32 ; v1(3362.2,661.42) v1@3361.54,660.75 ; C4.1@3383.86,992.13 3383.86,964.32 ; C8.1@3653.54,716.54 3637.8,716.54 3621.38,700.12 U10.26@3531.79,700.12 3413.68,700.12 ; v1@3361.54,660.75 3374.31,660.75 3413.68,700.12 ; 3383.86,964.32 3413.68,934.5 U10.35@3413.68,896.97 3413.68,700.12
  L1 w19.68: v1(2692.91,1417.32) C13.2@2692.91,1464.57 C14.1@2799.21,1464.57 C14.1@2799.21,1460.63 ; v1(2732.28,133.86) R18.1@2775.59,133.86 ; R14.2@2799.21,1393.7 C14.1@2799.21,1460.63 ; U6.1@2877.76,1535.43 2877.76,1464.37 C347.1@2874.02,1460.63 C14.1@2799.21,1460.63 ; C7.1@2944.88,641.73 v1(2976.38,641.73) ; v1(3070.87,1200.79) 3137.8,1133.86 R9.2@3137.8,1090.55 ; J1.2@3209.06,104.33 3212.6,107.87 R1.2@3212.6,200.79
  L4 w19.68: v1(2692.91,1417.32) 2933.07,1417.32 3070.87,1279.53 v1(3070.87,1200.79) 3070.87,952.76 v1(3362.2,661.42) v1(3362.2,562.99) 3385.83,562.99 3397.64,551.18 3397.64,444.49 3209.06,255.91 3209.06,188.98 ; v1(2732.28,133.86) 2996.06,133.86 3051.18,188.98 3209.06,188.98 ; J1.2@3209.06,104.33 3209.06,188.98
5.0V: C12.1 C22.2 C54.2 C85.2 C117.2 J3.1 R2.2 R3.1 R12.1 R15.2 R16.1 R17.2 R19.1 R23.2 R24.1 U7.3 U13.3 U17.3 U20.3 U24.3 | length 6467.9
  L1 w11.81: U20.3@746.51,3224 833.94,3224 C85.2@857.16,3200.79 ; U24.3@1478.8,3224 1566.22,3224 C117.2@1589.44,3200.79 ; U13.3@2211.08,3224 2298.51,3224 C22.2@2321.72,3200.79 ; U17.3@2943.36,3224 3030.79,3224 C54.2@3054.01,3200.79
  L1 w19.68: R2.2@728.8,3033.06 799.21,3033.06 830.71,3001.56 v1(830.71,3000) ; v1(858.27,3157.48) 858.27,3199.68 857.16,3200.79 C85.2@858.72,3202.35 ; R17.2@1461.08,3033.06 1527.56,3033.06 1559.06,3001.56 v1(1559.06,3000) ; v1(1590.55,3157.48) 1590.55,3199.68 1589.44,3200.79 C117.2@1591,3202.35 ; R15.2@2193.36,3033.06 2263.78,3033.06 2295.28,3001.56 v1(2295.28,3000) ; v1(2322.83,3157.48) 2322.83,3199.68 2321.72,3200.79 C22.2@2323.29,3202.35 ; R23.2@2925.65,3033.06 R24.1@2988.64,3033.06 2988.19,3032.61 v1(2988.19,2980.31) v1(3236.22,2980.31) ; v1(3055.12,3157.48) 3055.12,3199.68 3054.01,3200.79 C54.2@3055.57,3202.35 ; R12.1@3161.42,1956.69 3173.43,1956.69 C12.1@3173.43,2023.62 3174.37,2022.67 3174.37,2017.16 3175.52,2016.02 3291.07,2016.02 3295.28,2011.81 3295.11,2011.81 U7.3@3294.84,2011.54
  L1 w39.37: U7.3@3295.28,2011.81 v1(3397.64,2011.81)
  L3 w23.62: J3.1@204.72,3173.23 204.72,3114.17 318.9,3000 v1(830.71,3000) v1(1559.06,3000) v1(2295.28,3000) 2531.5,3000 2551.18,2980.31 v1(2988.19,2980.31)
  L3 w39.37: v1(3236.22,2980.31) 3236.22,2771.65 3350.39,2657.48 3350.39,2590.55 3259.84,2500 3259.84,2047.24 3295.28,2011.81 v1(3397.64,2011.81)
  L4 w19.68: v1(830.71,3000) 858.27,3027.56 v1(858.27,3157.48)
  L4 w23.62: v1(1559.06,3000) 1590.55,3031.5 v1(1590.55,3157.48) ; v1(2295.28,3000) 2322.83,3027.56 v1(2322.83,3157.48) ; v1(2988.19,2980.31) 3055.12,3047.24 v1(3055.12,3157.48)
12V: C20.1 C21.1 C23.1 C24.1 C25.1 C41.2 C42.2 C43.2 C47.2 C49.1 C50.1 C51.1 C52.1 C68.1 C69.1 C70.1 C71.1 C91.1 C92.2 C94.1 C95.1 C96.2 C97.1 C98.1 C99.2 C100.1 C101.2 C102.2 C106.1 C107.2 C108.1 C109.1 C110.1 C111.1 C112.1 C113.1 C114.1 C115.1 C116.1 C118.1 C119.1 C120.1 C122.1 C123.1 C124.1 C126.1 C127.1 C133.2 C134.2 C258.2 C259.2 C373.2 C374.2 C378.1 C379.1 C380.1 C404.2 C405.2 C406.2 C407.2 C596.2 C598.1 C599.2 C600.1 C602.2 C603.1 C605.2 C606.1 C640.1 C642.1 C711.1 C814.1 D8.2 D28.1 J3.3 J12.1 J12.2 J12.3 R4.1 R13.2 U13.8 U13.9 U13.10 U13.11 U13.12 U13.13 U13.14 U13.42 U17.8 U17.9 U17.10 U17.11 U17.12 U17.13 U17.14 U17.42 U20.8 U20.9 U20.10 U20.11 U20.12 U20.13 U20.14 U20.42 U24.8 U24.9 U24.10 U24.11 U24.12 U24.13 U24.14 U24.42 | length 8814
  L1 w11.81: U20.14@659.9,3389.36 659.9,3437.01 v1@679.58,3437.01 ; U20.13@679.58,3389.36 v1@679.58,3437.01 ; U20.42@687.46,3320.46 690.76,3326.51 v1@699.27,3342.11 ; U20.11@718.96,3389.36 v1@718.96,3437.01 ; U20.8@746.51,3322.43 699.27,3322.43 v1@699.27,3342.11 ; U20.9@746.51,3342.11 v1@699.27,3342.11 ; U20.10@746.51,3361.8 746.51,3437.01 v1@718.96,3437.01 ; U24.14@1392.18,3389.36 1392.18,3437.01 v1@1411.87,3437.01 ; U24.13@1411.87,3389.36 v1@1411.87,3437.01 ; U24.42@1419.74,3320.46 1423.04,3326.51 v1@1431.55,3342.11 ; U24.11@1451.24,3389.36 v1@1451.24,3437.01 ; v1@1478.75,3437.01 v1@1451.24,3437.01 ; U24.8@1478.8,3322.43 1431.55,3322.43 v1@1431.55,3342.11 ; U24.9@1478.8,3342.11 v1@1431.55,3342.11 ; U24.10@1478.8,3361.8 v1@1478.8,3437.01 ; U13.14@2124.47,3389.36 2124.47,3437.01 v1@2144.15,3437.01 ; U13.13@2144.15,3389.36 v1@2144.15,3437.01 ; U13.42@2152.03,3320.46 2155.33,3326.51 v1@2163.84,3342.11 ; U13.11@2183.52,3389.36 v1@2183.52,3437.01 ; v1@2211.04,3437.01 v1@2183.52,3437.01 ; U13.8@2211.08,3322.43 2163.84,3322.43 v1@2163.84,3342.11 ; U13.9@2211.08,3342.11 v1@2163.84,3342.11 ; U13.10@2211.08,3361.8 v1@2211.08,3437.01 ; U17.14@2856.75,3389.36 2856.75,3437.01 v1@2876.44,3437.01 ; U17.13@2876.44,3389.36 v1@2876.44,3437.01 ; U17.42@2884.31,3320.46 2887.61,3326.51 v1@2896.12,3342.11 ; U17.11@2915.81,3389.36 v1@2915.81,3437.01 ; U17.8@2943.36,3322.43 2896.12,3322.43 v1@2896.12,3342.11 ; U17.9@2943.36,3342.11 v1@2896.12,3342.11 ; U17.10@2943.36,3361.8 2943.36,3437.01 v1@2915.81,3437.01 ; v1@679.58,3437.01 699.27,3437.01 ; v1@699.27,3342.11 U20.12@699.27,3389.36 699.27,3437.01 ; 699.27,3437.01 v1@718.96,3437.01 ; v1@1411.87,3437.01 1431.55,3437.01 ; v1@1431.55,3342.11 U24.12@1431.55,3389.36 1431.55,3437.01 ; 1431.55,3437.01 v1@1451.24,3437.01 ; v1@2144.15,3437.01 2163.84,3437.01 ; v1@2163.84,3342.11 U13.12@2163.84,3389.36 2163.84,3437.01 ; 2163.84,3437.01 v1@2183.52,3437.01 ; v1@2876.44,3437.01 2896.12,3437.01 ; v1@2896.12,3342.11 U17.12@2896.12,3389.36 2896.12,3437.01 ; 2896.12,3437.01 v1@2915.81,3437.01
  L1 w19.68: C711.1@574.8,3559.06 575.24,3598.68 575.25,3599.99 ; C606.1@574.8,3795.28 575.25,3757.47 ; C605.2@598.43,3755.91 575.25,3757.47 ; C378.1@673.23,3767.72 712.6,3767.72 ; v1@746.47,3437.01 751.97,3440.94 C102.2@826.77,3440.94 850.39,3440.94 ; C20.1@751.97,3767.72 712.6,3767.72 ; C405.2@826.77,3755.91 850.39,3755.91 ; C25.1@850.39,3401.57 850.39,3440.94 ; C379.1@850.39,3795.28 850.39,3755.91 ; C115.1@1307.09,3559.06 1307.52,3598.68 1307.54,3599.99 ; C114.1@1307.09,3795.28 1307.54,3757.47 ; C407.2@1330.71,3755.91 1307.54,3757.47 ; C110.1@1405.51,3767.72 1444.88,3767.72 ; v1@1478.75,3437.01 1484.25,3440.94 C96.2@1559.06,3440.94 1582.68,3440.94 ; C91.1@1484.25,3767.72 1444.88,3767.72 ; C134.2@1559.06,3755.91 1582.68,3755.91 ; C109.1@1582.68,3401.57 1582.68,3440.94 ; C111.1@1582.68,3795.28 1582.68,3755.91 ; C640.1@2039.37,3559.06 2039.81,3598.68 2039.82,3599.99 ; C600.1@2039.37,3795.28 2039.82,3757.47 ; C599.2@2062.99,3755.91 2039.82,3757.47 ; C69.1@2137.8,3767.72 2177.17,3767.72 ; v1@2211.04,3437.01 2216.54,3440.94 C43.2@2291.34,3440.94 2314.96,3440.94 ; C49.1@2216.54,3767.72 2177.17,3767.72 ; C374.2@2291.34,3755.91 2314.96,3755.91 ; C68.1@2314.96,3401.57 2314.96,3440.94 ; C70.1@2314.96,3795.28 2314.96,3755.91 ; C126.1@2771.65,3559.06 2772.09,3598.68 2772.1,3599.99 ; C124.1@2771.65,3795.28 2772.1,3757.47 ; C259.2@2795.28,3755.91 2772.1,3757.47 ; C119.1@2870.08,3767.72 2909.45,3767.72 ; v1@2943.32,3437.01 2948.82,3440.94 C47.2@3023.62,3440.94 3047.24,3440.94 ; C98.1@2948.82,3767.72 2909.45,3767.72 ; C107.2@3023.62,3755.91 3047.24,3755.91 ; C118.1@3047.24,3401.57 3047.24,3440.94 ; C120.1@3047.24,3795.28 3047.24,3755.91 ; R13.2@3358.13,2494.79 3358.21,2494.87 R4.1@3358.21,2565.06 ; 575.25,3599.99 C602.2@598.43,3598.43 v1@712.6,3598.43 ; 575.25,3599.99 C603.1@574.8,3637.8 C814.1@574.8,3716.54 575.24,3756.16 575.25,3757.47 ; v1@712.6,3598.43 C404.2@712.6,3744.09 712.6,3767.72 ; v1@712.6,3598.43 716.54,3598.43 C101.2@826.77,3598.43 850.39,3598.43 ; 850.39,3440.94 C24.1@850.39,3480.31 C21.1@850.39,3559.06 850.39,3598.43 ; 850.39,3598.43 C23.1@850.39,3637.8 C380.1@850.39,3716.54 850.39,3755.91 ; 1307.54,3599.99 C113.1@1307.09,3637.8 C116.1@1307.09,3716.54 1307.52,3756.16 1307.54,3757.47 ; 1307.54,3599.99 C406.2@1330.71,3598.43 v1@1444.88,3598.43 ; v1@1444.88,3598.43 C133.2@1444.88,3744.09 1444.88,3767.72 ; v1@1444.88,3598.43 C92.2@1559.06,3598.43 1582.68,3598.43 ; 1582.68,3440.94 C97.1@1582.68,3480.31 C94.1@1582.68,3559.06 1582.68,3598.43 ; 1582.68,3598.43 C95.1@1582.68,3637.8 C112.1@1582.68,3716.54 1582.68,3755.91 ; 2039.82,3599.99 C598.1@2039.37,3637.8 C642.1@2039.37,3716.54 2039.81,3756.16 2039.82,3757.47 ; 2039.82,3599.99 C596.2@2062.99,3598.43 v1@2177.17,3598.43 ; v1@2177.17,3598.43 2177.17,3633.86 2177.17,3665.35 C373.2@2177.17,3744.09 2177.17,3767.72 ; v1@2177.17,3598.43 2244.09,3598.43 C42.2@2291.34,3598.43 2314.96,3598.43 ; 2314.96,3440.94 C52.1@2314.96,3480.31 C50.1@2314.96,3559.06 2314.96,3598.43 ; 2314.96,3598.43 C51.1@2314.96,3637.8 C71.1@2314.96,3716.54 2314.96,3755.91 ; 2772.1,3599.99 C258.2@2795.28,3598.43 v1@2909.45,3598.43 ; 2772.1,3599.99 C123.1@2771.65,3637.8 C127.1@2771.65,3716.54 2772.09,3756.16 2772.1,3757.47 ; v1@2909.45,3598.43 C99.2@2909.45,3744.09 2909.45,3767.72 ; v1@2909.45,3598.43 2976.38,3598.43 C41.2@3023.62,3598.43 3047.24,3598.43 ; 3047.24,3440.94 3047.24,3598.43 ; 3047.24,3598.43 3047.24,3755.91
  L1 w39.37: R13.2@3344.79,2494.36 3358.13,2494.79 3397.64,2496.06 D8.2@3462.93,2559.39 3639.76,2736.22 J12.3@3639.76,2909.45
  L1 w118.11: D28.1@3511.7,3658.13 3511.7,3507.87 3639.76,3379.81 J12.3@3639.76,2909.45
  other v1: 673.23,3291.34 704.72,3291.34 1405.51,3291.34 1437.01,3291.34 2137.8,3291.34 2169.29,3291.34 2870.08,3291.34 2901.57,3291.34 673.23,3318.9 704.72,3318.9 1405.51,3318.9 1437.01,3318.9 2137.8,3318.9 2169.29,3318.9 2870.08,3318.9 2901.57,3318.9 673.23,3346.46 704.72,3346.46 1405.51,3346.46 1437.01,3346.46 2137.8,3346.46 2169.29,3346.46 2870.08,3346.46 2901.57,3346.46 748.03,3397.64 779.53,3397.64 1480.31,3397.64 1511.81,3397.64 2212.6,3397.64 2244.09,3397.64 2944.88,3397.64 2976.38,3397.64 685.04,3429.13 716.54,3429.13 748.03,3429.13 779.53,3429.13 1417.32,3429.13 1448.82,3429.13 1480.31,3429.13 1511.81,3429.13 2149.61,3429.13 2181.1,3429.13 2212.6,3429.13 2244.09,3429.13 2881.89,3429.13 2913.39,3429.13 2944.88,3429.13 2976.38,3429.13 653.54,3460.63 685.04,3460.63 716.54,3460.63 748.03,3460.63 779.53,3460.63 1385.83,3460.63 1417.32,3460.63 1448.82,3460.63 1480.31,3460.63 1511.81,3460.63 2118.11,3460.63 2149.61,3460.63 2181.1,3460.63 2212.6,3460.63 2244.09,3460.63 2850.39,3460.63 2881.89,3460.63 2913.39,3460.63 2944.88,3460.63 2976.38,3460.63 653.54,3602.36 685.04,3602.36 716.54,3602.36 748.03,3602.36 779.53,3602.36 1385.83,3602.36 1417.32,3602.36 1448.82,3602.36 1480.31,3602.36 1511.81,3602.36 2118.11,3602.36 2149.61,3602.36 2181.1,3602.36 2212.6,3602.36 2244.09,3602.36 2850.39,3602.36 2881.89,3602.36 2913.39,3602.36 2944.88,3602.36 2976.38,3602.36 653.54,3633.86 685.04,3633.86 716.54,3633.86 748.03,3633.86 779.53,3633.86 1385.83,3633.86 1417.32,3633.86 1448.82,3633.86 1480.31,3633.86 1511.81,3633.86 2118.11,3633.86 2149.61,3633.86 2181.1,3633.86 2212.6,3633.86 2244.09,3633.86 2850.39,3633.86 2881.89,3633.86 2913.39,3633.86 2944.88,3633.86 2976.38,3633.86 653.54,3665.35 685.04,3665.35 716.54,3665.35 748.03,3665.35 779.53,3665.35 1385.83,3665.35 1417.32,3665.35 1448.82,3665.35 1480.31,3665.35 1511.81,3665.35 2118.11,3665.35 2149.61,3665.35 2181.1,3665.35 2212.6,3665.35 2244.09,3665.35 2850.39,3665.35 2881.89,3665.35 2913.39,3665.35 2944.88,3665.35 2976.38,3665.35 653.54,3696.85 685.04,3696.85 716.54,3696.85 748.03,3696.85 779.53,3696.85 1385.83,3696.85 1417.32,3696.85 1448.82,3696.85 1480.31,3696.85 1511.81,3696.85 2118.11,3696.85 2149.61,3696.85 2181.1,3696.85 2212.6,3696.85 2244.09,3696.85 2850.39,3696.85 2881.89,3696.85 2913.39,3696.85 2944.88,3696.85 2976.38,3696.85
D+: D6.1 J2.3 U10.37 | length 1328.6
  L1 w11.81: D6.1@3305.12,1671.26 3307.09,1669.29 v1(3354.33,1669.29) J2.3@3661.42,1669.29 ; v1(3314.96,838.58) 3362.2,838.58 3374.31,850.69 U10.37@3374.31,896.97
  L4 w11.81: v1(3314.96,838.58) 3338.58,838.58 3354.33,854.33 v1(3354.33,1669.29)
D-: D6.3 J2.2 U10.36 | length 1508.4
  L1 w11.81: D6.3@3230.31,1671.26 3232.28,1669.29 3232.28,1641.73 3248.03,1625.98 3330.71,1625.98 3342.52,1637.8 v1(3389.76,1637.8) J2.2@3661.42,1637.8 ; v1(3314.96,803.15) 3368.63,803.15 3394,828.51 U10.36@3394,896.97
  L4 w11.81: v1(3314.96,803.15) 3338.58,803.15 3389.76,854.33 v1(3389.76,1637.8)
FB: C3.1 R6.1 U10.17 | length 1712
  L1 w11.81: v1(3362.2,523.62) 3362.87,522.95 U10.17@3531.79,522.95 3555.41,522.95 3590.55,487.82 v1(3590.55,472.44)
  L1 w19.68: R6.1@2405.51,523.62 2535.43,523.62 v2(2602.36,456.69) ; v1(3590.55,472.44) 3590.55,448.82 C3.1@3608.27,431.1
  L4 w11.81: v2(2602.36,456.69) 2602.36,267.72 2700.79,169.29 2984.25,169.29 3035.43,220.47 3133.86,220.47 3362.2,448.82 v1(3362.2,523.62)